# KiCad board SparkFun_GNSS_mosaic-T_panelized.kicad_pcb
title: SparkFun GNSS mosaic-T; date: 2025-03-19; rev: v01; company: SparkFun Electronics; note: Designed by: P.C.
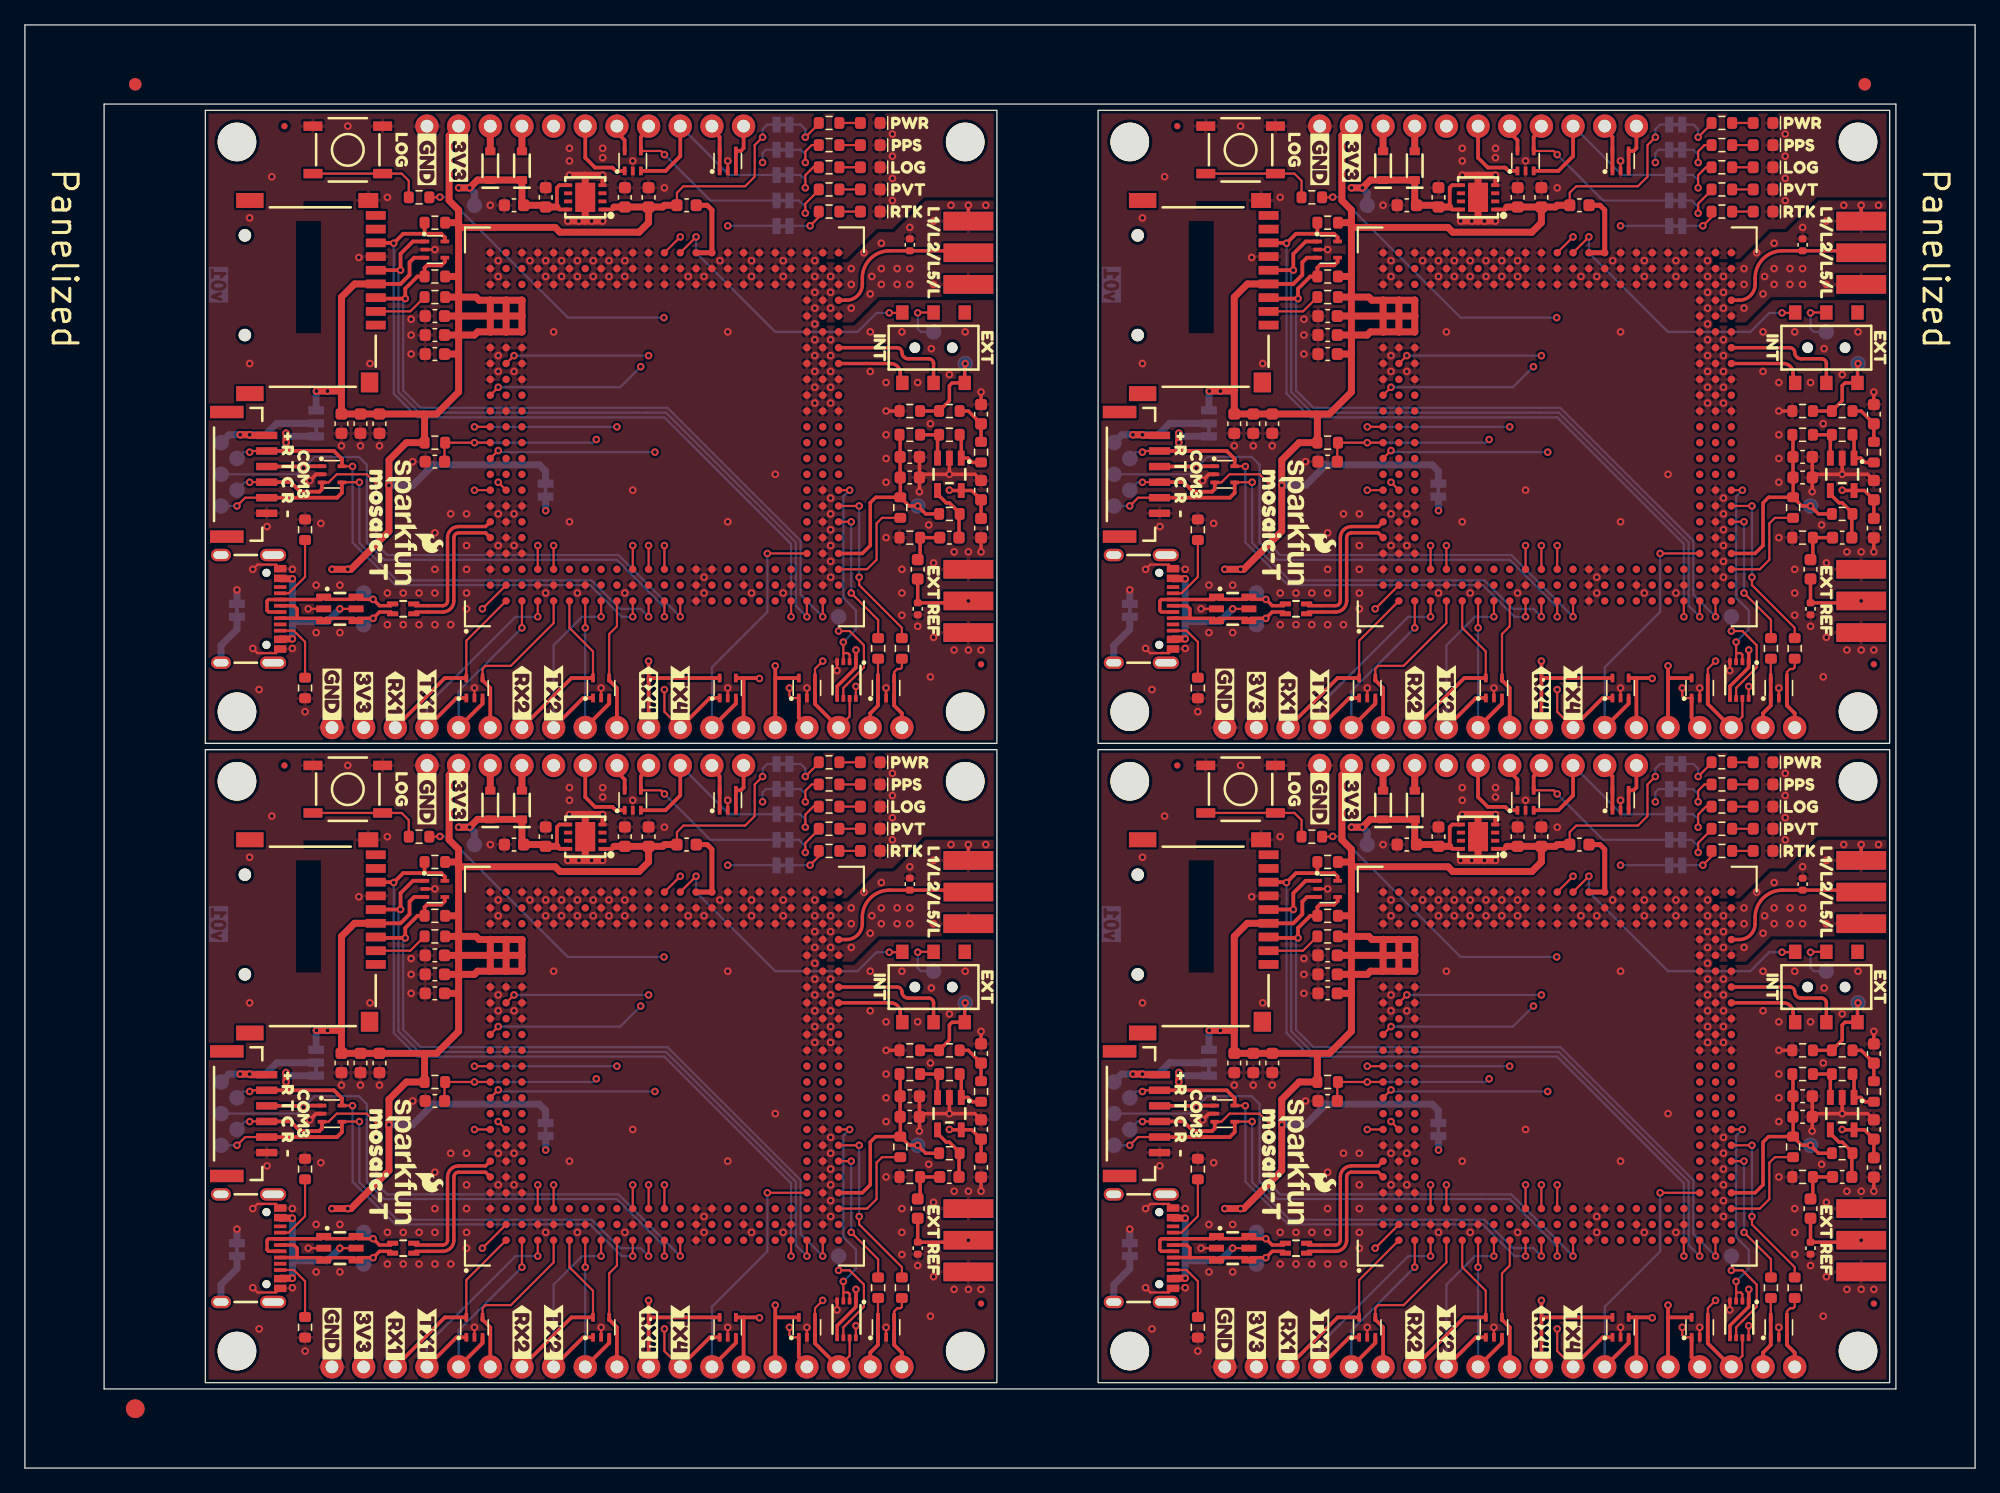
[diagram p0: board, top side]
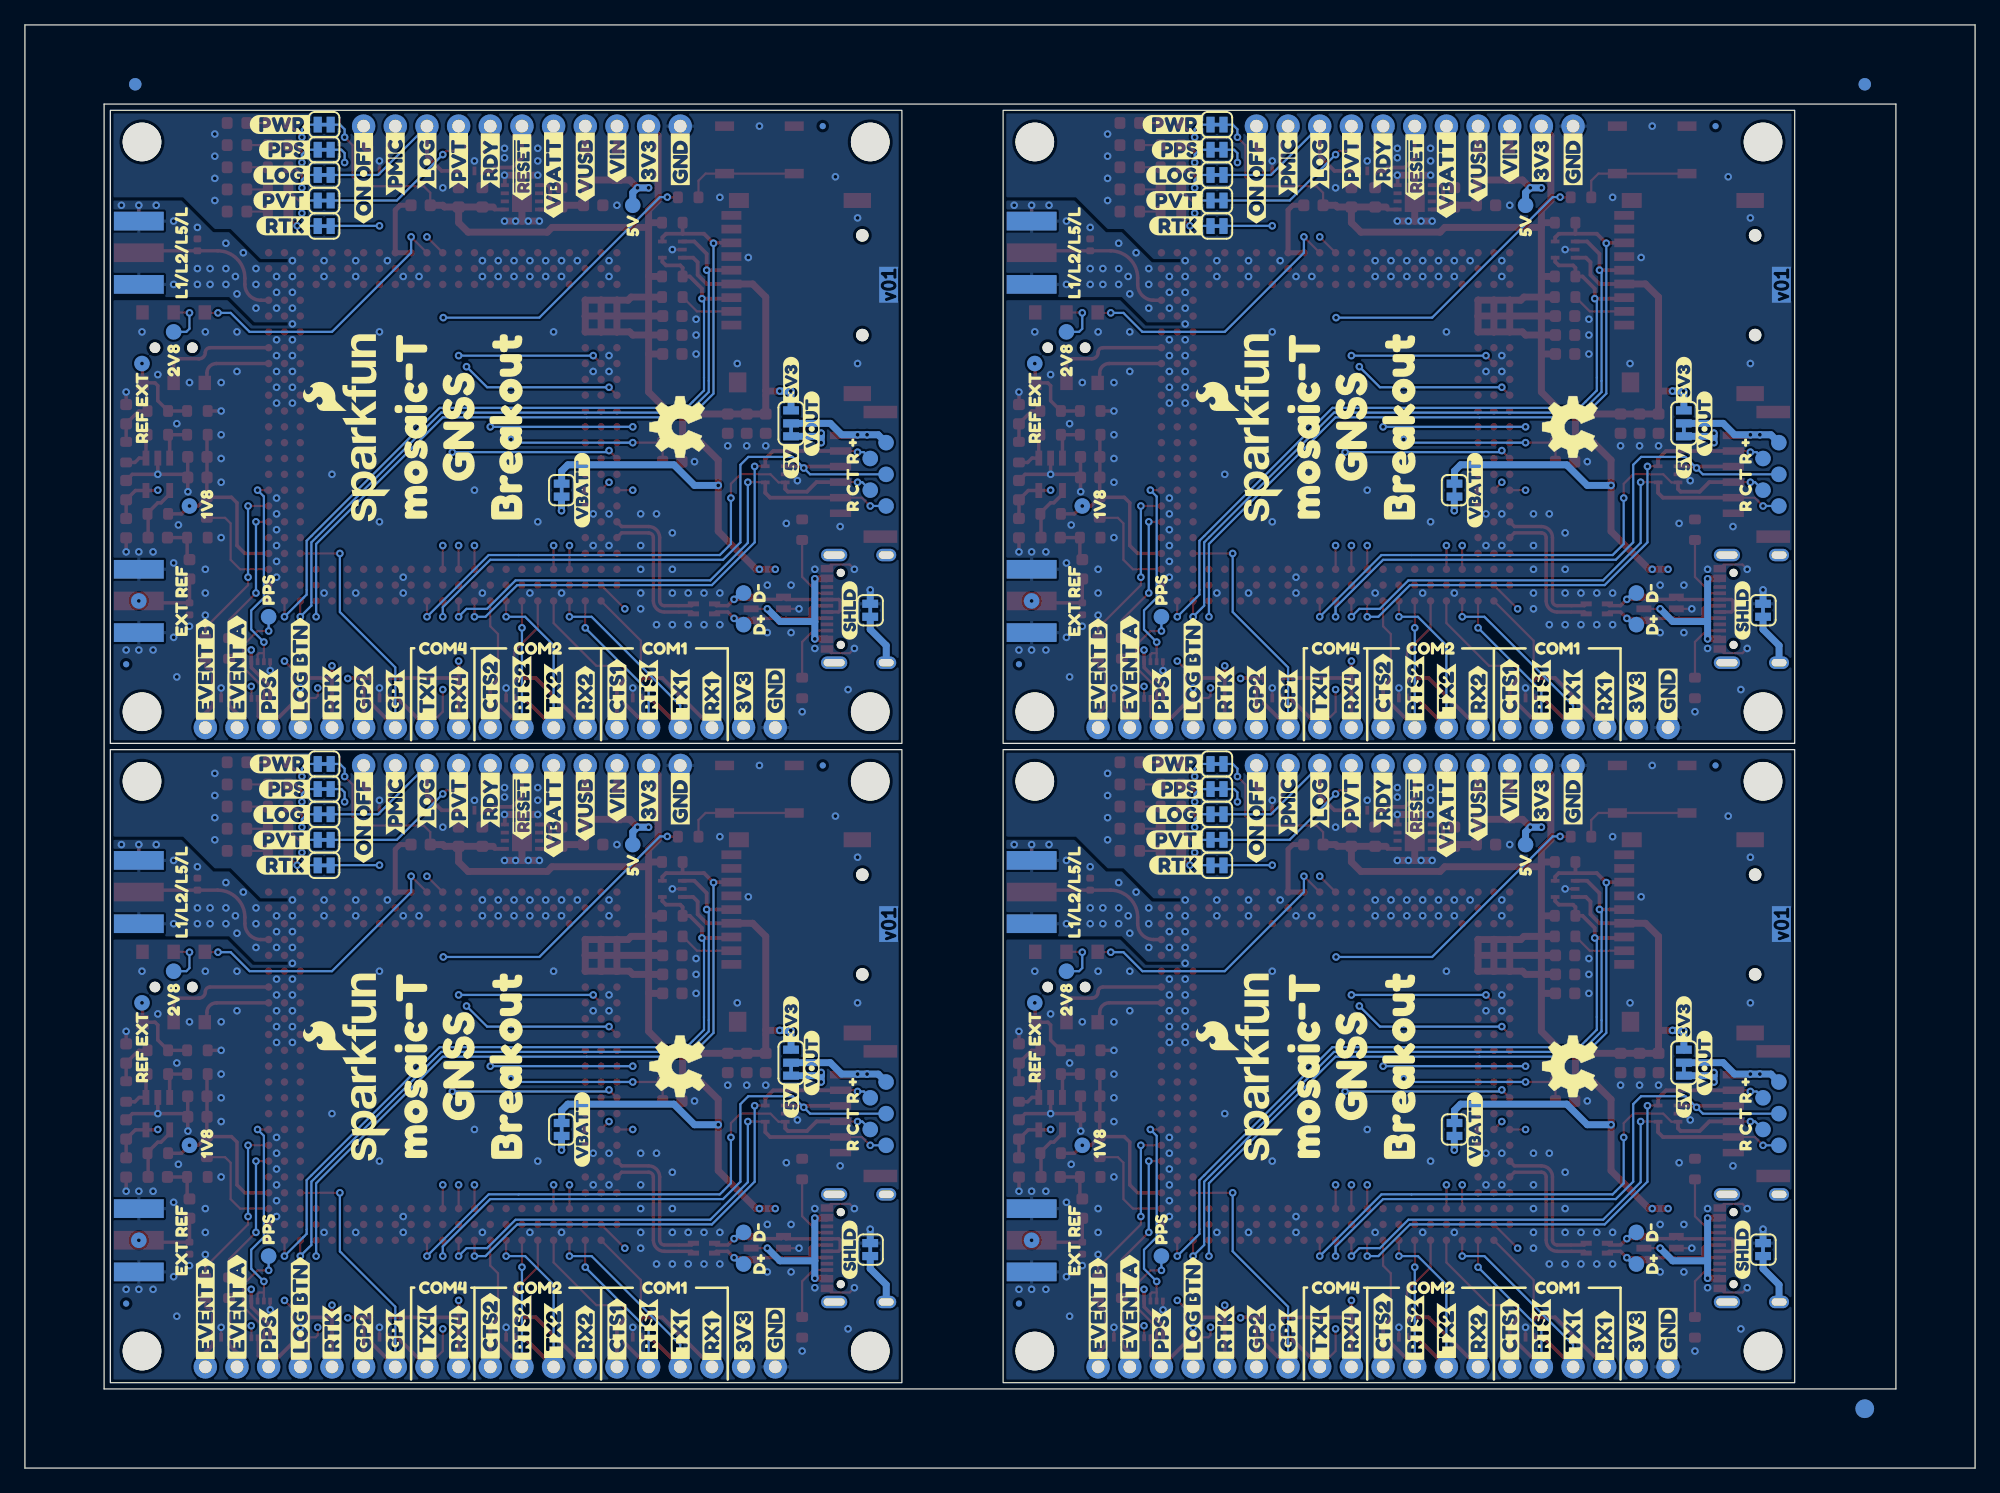
[diagram p1: board, bottom side, seen from below]

Outline 156.44 x 115.8 mm; copper layers: Top, L2.Cu, L3.Cu, Bottom. Coordinates in mm from the lower left corner of the outline.
Outline path: 14.47,58.15 14.47,108.95 77.97,108.95 77.97,58.15 closed ; 14.47,6.85 14.47,57.65 77.97,57.65 77.97,6.85 closed ; 86.09,58.15 86.09,108.95 149.59,108.95 149.59,58.15 closed ; 86.09,6.85 86.09,57.65 149.59,57.65 149.59,6.85 closed ; 0,115.8 156.44,115.8 156.44,0 0,0 0,115.8 ; 6.35,109.45 150.09,109.45 150.09,6.35 6.35,6.35 6.35,109.45
Stack: Top 0.035mm / dielectric 0.1mm FR4 er 4.5 / L2.Cu 0.035mm / dielectric 1.24mm FR4 er 4.5 / L3.Cu 0.035mm / dielectric 0.1mm FR4 er 4.5 / Bottom 0.035mm

## Placement (name value [footprint] x y rotation side)
C1  10uF  [C_0603_1608Metric]  104.5 41.14 180 top
C1#2  10uF  [C_0603_1608Metric]  32.89 41.14 180 top
C1#3  10uF  [C_0603_1608Metric]  104.5 92.44 180 top
C1#4  10uF  [C_0603_1608Metric]  32.89 92.44 180 top
C2  10uF  [C_0603_1608Metric]  70.99 81.14 0 top
C2#2  10uF  [C_0603_1608Metric]  142.61 29.84 0 top
C2#3  10uF  [C_0603_1608Metric]  70.99 29.84 0 top
C2#4  10uF  [C_0603_1608Metric]  142.61 81.14 0 top
C3  0.1uF  [C_0603_1608Metric]  104.5 80.76 180 top
C3#2  0.1uF  [C_0603_1608Metric]  32.89 80.76 180 top
C3#3  0.1uF  [C_0603_1608Metric]  32.89 29.46 180 top
C3#4  0.1uF  [C_0603_1608Metric]  104.5 29.46 180 top
C4  0.1uF  [C_0603_1608Metric]  104.5 38.09 180 top
C4#2  0.1uF  [C_0603_1608Metric]  32.89 38.09 180 top
C4#3  0.1uF  [C_0603_1608Metric]  32.89 89.39 180 top
C4#4  0.1uF  [C_0603_1608Metric]  104.5 89.39 180 top
C5  1.0uF  [C_0603_1608Metric]  104.5 90.92 180 top
C5#2  1.0uF  [C_0603_1608Metric]  32.89 90.92 180 top
C5#3  1.0uF  [C_0603_1608Metric]  104.5 39.62 180 top
C5#4  1.0uF  [C_0603_1608Metric]  32.89 39.62 180 top
C6  0.1uF  [C_0603_1608Metric]  70.99 79.49 0 top
C6#2  0.1uF  [C_0603_1608Metric]  142.61 79.49 0 top
C6#3  0.1uF  [C_0603_1608Metric]  142.61 28.19 0 top
C6#4  0.1uF  [C_0603_1608Metric]  70.99 28.19 0 top
C7  10uF  [C_0603_1608Metric]  100.06 83.8 270 top
C7#2  10uF  [C_0603_1608Metric]  28.44 32.5 270 top
C7#3  10uF  [C_0603_1608Metric]  100.06 32.5 270 top
C7#4  10uF  [C_0603_1608Metric]  28.44 83.8 270 top
C8  0.1uF  [C_0603_1608Metric]  25.39 83.8 270 top
C8#2  0.1uF  [C_0603_1608Metric]  25.39 32.5 270 top
C8#3  0.1uF  [C_0603_1608Metric]  97.01 32.5 270 top
C8#4  0.1uF  [C_0603_1608Metric]  97.01 83.8 270 top
C9  1.0uF  [C_0603_1608Metric]  26.92 32.5 270 top
C9#2  1.0uF  [C_0603_1608Metric]  98.54 32.5 270 top
C9#3  1.0uF  [C_0603_1608Metric]  98.54 83.8 270 top
C9#4  1.0uF  [C_0603_1608Metric]  26.92 83.8 270 top
C10  1.0nF  [C_0603_1608Metric]  143.24 20.82 90 top
C10#2  1.0nF  [C_0603_1608Metric]  143.24 72.12 90 top
C10#3  1.0nF  [C_0603_1608Metric]  71.62 72.12 90 top
C10#4  1.0nF  [C_0603_1608Metric]  71.62 20.82 90 top
C11  1.0nF  [C_0603_1608Metric]  74.16 74.66 0 top
C11#2  1.0nF  [C_0603_1608Metric]  145.78 74.66 0 top
C11#3  1.0nF  [C_0603_1608Metric]  145.78 23.36 0 top
C11#4  1.0nF  [C_0603_1608Metric]  74.16 23.36 0 top
C12  10uF  [C_0603_1608Metric]  148.32 27.17 90 top
C12#2  10uF  [C_0603_1608Metric]  148.32 78.47 90 top
C12#3  10uF  [C_0603_1608Metric]  76.7 78.47 90 top
C12#4  10uF  [C_0603_1608Metric]  76.7 27.17 90 top
C13  0.1uF  [C_0603_1608Metric]  148.32 75.42 270 top
C13#2  0.1uF  [C_0603_1608Metric]  76.7 75.42 270 top
C13#3  0.1uF  [C_0603_1608Metric]  148.32 24.12 270 top
C13#4  0.1uF  [C_0603_1608Metric]  76.7 24.12 270 top
C14  33pF  [C_0603_1608Metric]  76.7 84.57 90 top
C14#2  33pF  [C_0603_1608Metric]  148.32 84.57 90 top
C14#3  33pF  [C_0603_1608Metric]  76.7 33.27 90 top
C14#4  33pF  [C_0603_1608Metric]  148.32 33.27 90 top
C15  10uF  [C_0603_1608Metric]  110.86 101.33 180 top
C15#2  10uF  [C_0603_1608Metric]  39.24 101.33 180 top
C15#3  10uF  [C_0603_1608Metric]  39.24 50.03 180 top
C15#4  10uF  [C_0603_1608Metric]  110.86 50.03 180 top
C16  1.0uF  [C_0603_1608Metric]  113.4 101.97 90 top
C16#2  1.0uF  [C_0603_1608Metric]  113.4 50.67 90 top
C16#3  1.0uF  [C_0603_1608Metric]  41.78 101.97 90 top
C16#4  1.0uF  [C_0603_1608Metric]  41.78 50.67 90 top
C17  1.0uF  [C_0603_1608Metric]  50.03 50.67 90 top
C17#2  1.0uF  [C_0603_1608Metric]  50.03 101.97 90 top
C17#3  1.0uF  [C_0603_1608Metric]  121.65 101.97 90 top
C17#4  1.0uF  [C_0603_1608Metric]  121.65 50.67 90 top
C18  10uF  [C_0603_1608Metric]  119.75 101.97 90 top
C18#2  10uF  [C_0603_1608Metric]  48.12 101.97 90 top
C18#3  10uF  [C_0603_1608Metric]  119.75 50.67 90 top
C18#4  10uF  [C_0603_1608Metric]  48.12 50.67 90 top
D1  DF5A5.6LFU  [SOT-353]  32.89 46.47 0 top
D1#2  DF5A5.6LFU  [SOT-353]  32.89 97.77 0 top
D1#3  DF5A5.6LFU  [SOT-353]  104.5 97.77 0 top
D1#4  DF5A5.6LFU  [SOT-353]  104.5 46.47 0 top
D2  Red  [LED_0603_1608Metric_Red]  67.81 107.93 180 top
D2#2  Red  [LED_0603_1608Metric_Red]  67.81 56.63 180 top
D2#3  Red  [LED_0603_1608Metric_Red]  139.43 56.63 180 top
D2#4  Red  [LED_0603_1608Metric_Red]  139.43 107.93 180 top
D3  Blue  [LED_0603_1608Metric_Blue]  139.43 102.6 180 top
D3#2  Blue  [LED_0603_1608Metric_Blue]  67.81 102.6 180 top
D3#3  Blue  [LED_0603_1608Metric_Blue]  139.43 51.3 180 top
D3#4  Blue  [LED_0603_1608Metric_Blue]  67.81 51.3 180 top
D4  Green  [LED_0603_1608Metric_Green]  139.43 104.38 180 top
D4#2  Green  [LED_0603_1608Metric_Green]  67.81 53.08 180 top
D4#3  Green  [LED_0603_1608Metric_Green]  139.43 53.08 180 top
D4#4  Green  [LED_0603_1608Metric_Green]  67.81 104.38 180 top
D5  White  [LED_0603_1608Metric_White]  139.43 49.52 180 top
D5#2  White  [LED_0603_1608Metric_White]  139.43 100.82 180 top
D5#3  White  [LED_0603_1608Metric_White]  67.81 100.82 180 top
D5#4  White  [LED_0603_1608Metric_White]  67.81 49.52 180 top
D6  Yellow  [LED_0603_1608Metric_Yellow]  67.81 106.16 180 top
D6#2  Yellow  [LED_0603_1608Metric_Yellow]  139.43 54.86 180 top
D6#3  Yellow  [LED_0603_1608Metric_Yellow]  67.81 54.86 180 top
D6#4  Yellow  [LED_0603_1608Metric_Yellow]  139.43 106.16 180 top
D7  DF5A5.6LFU  [SOT-353]  48.76 53.59 90 top
D7#2  DF5A5.6LFU  [SOT-353]  120.38 53.59 90 top
D7#3  DF5A5.6LFU  [SOT-353]  48.76 104.89 90 top
D7#4  DF5A5.6LFU  [SOT-353]  120.38 104.89 90 top
D8  DF5A5.6LFU  [SOT-353]  56.38 104.89 90 top
D8#2  DF5A5.6LFU  [SOT-353]  128 53.59 90 top
D8#3  DF5A5.6LFU  [SOT-353]  128 104.89 90 top
D8#4  DF5A5.6LFU  [SOT-353]  56.38 53.59 90 top
D9  PESD0402  [C_0402_1005Metric]  70.99 46.86 270 top
D9#2  PESD0402  [C_0402_1005Metric]  142.61 46.86 270 top
D9#3  PESD0402  [C_0402_1005Metric]  70.99 98.16 270 top
D9#4  PESD0402  [C_0402_1005Metric]  142.61 98.16 270 top
D10  DF5A5.6LFU  [SOT-353]  62.73 11.3 90 top
D10#2  DF5A5.6LFU  [SOT-353]  134.35 62.59 90 top
D10#3  DF5A5.6LFU  [SOT-353]  134.35 11.3 90 top
D10#4  DF5A5.6LFU  [SOT-353]  62.73 62.59 90 top
D11  DF5A5.6LFU  [SOT-353]  128 62.59 90 top
D11#2  DF5A5.6LFU  [SOT-353]  128 11.3 90 top
D11#3  DF5A5.6LFU  [SOT-353]  56.38 11.3 90 top
D11#4  DF5A5.6LFU  [SOT-353]  56.38 62.59 90 top
D12  DF5A5.6LFU  [SOT-353]  117.84 11.3 90 top
D12#2  DF5A5.6LFU  [SOT-353]  46.22 62.59 90 top
D12#3  DF5A5.6LFU  [SOT-353]  46.22 11.3 90 top
D12#4  DF5A5.6LFU  [SOT-353]  117.84 62.59 90 top
D13  DF5A5.6LFU  [SOT-353]  36.06 11.3 90 top
D13#2  DF5A5.6LFU  [SOT-353]  107.68 11.3 90 top
D13#3  DF5A5.6LFU  [SOT-353]  36.06 62.59 90 top
D13#4  DF5A5.6LFU  [SOT-353]  107.68 62.59 90 top
D14  DF5A5.6LFU  [SOT-353]  96.25 79.74 0 top
D14#2  DF5A5.6LFU  [SOT-353]  24.63 28.44 0 top
D14#3  DF5A5.6LFU  [SOT-353]  96.25 28.44 0 top
D14#4  DF5A5.6LFU  [SOT-353]  24.63 79.74 0 top
D15  DF5A5.6LFU  [SOT-353]  140.7 62.59 90 top
D15#2  DF5A5.6LFU  [SOT-353]  69.08 62.59 90 top
D15#3  DF5A5.6LFU  [SOT-353]  69.08 11.3 90 top
D15#4  DF5A5.6LFU  [SOT-353]  140.7 11.3 90 top
D16  PESD0402  [C_0402_1005Metric]  143.24 68.94 90 top
D16#2  PESD0402  [C_0402_1005Metric]  143.24 17.64 90 top
D16#3  PESD0402  [C_0402_1005Metric]  71.62 68.94 90 top
D16#4  PESD0402  [C_0402_1005Metric]  71.62 17.64 90 top
D17  DT1042-04SO  [SOT23-6]  25.27 17.64 0 top
D17#2  DT1042-04SO  [SOT23-6]  96.89 68.94 0 top
D17#3  DT1042-04SO  [SOT23-6]  96.89 17.64 0 top
D17#4  DT1042-04SO  [SOT23-6]  25.27 68.94 0 top
D18  BAT60A  [SOD-323]  39.87 104.5 90 top
D18#2  BAT60A  [SOD-323]  111.49 104.5 90 top
D18#3  BAT60A  [SOD-323]  111.49 53.2 90 top
D18#4  BAT60A  [SOD-323]  39.87 53.2 90 top
D19  BAT60A  [SOD-323]  108.95 53.2 90 top
D19#2  BAT60A  [SOD-323]  37.33 53.2 90 top
D19#3  BAT60A  [SOD-323]  37.33 104.5 90 top
D19#4  BAT60A  [SOD-323]  108.95 104.5 90 top
FID1  Fiducial_0.5mm  [Fiducial_0.5mm_Mask1mm]  92.44 56.38 0 top
FID1#2  Fiducial_0.5mm  [Fiducial_0.5mm_Mask1mm]  20.82 56.38 0 top
FID1#3  Fiducial_0.5mm  [Fiducial_0.5mm_Mask1mm]  92.44 107.68 0 top
FID1#4  Fiducial_0.5mm  [Fiducial_0.5mm_Mask1mm]  20.82 107.68 0 top
FID2  Fiducial_0.5mm  [Fiducial_0.5mm_Mask1mm]  76.7 13.2 180 bottom
FID2#2  Fiducial_0.5mm  [Fiducial_0.5mm_Mask1mm]  148.32 64.5 180 bottom
FID2#3  Fiducial_0.5mm  [Fiducial_0.5mm_Mask1mm]  148.32 13.2 180 bottom
FID2#4  Fiducial_0.5mm  [Fiducial_0.5mm_Mask1mm]  76.7 64.5 180 bottom
FID3  Fiducial_0.5mm  [Fiducial_0.5mm_Mask1mm]  20.82 56.38 180 bottom
FID3#2  Fiducial_0.5mm  [Fiducial_0.5mm_Mask1mm]  92.44 56.38 180 bottom
FID3#3  Fiducial_0.5mm  [Fiducial_0.5mm_Mask1mm]  20.82 107.68 180 bottom
FID3#4  Fiducial_0.5mm  [Fiducial_0.5mm_Mask1mm]  92.44 107.68 180 bottom
FID4  Fiducial_0.5mm  [Fiducial_0.5mm_Mask1mm]  148.32 64.5 0 top
FID4#2  Fiducial_0.5mm  [Fiducial_0.5mm_Mask1mm]  76.7 13.2 0 top
FID4#3  Fiducial_0.5mm  [Fiducial_0.5mm_Mask1mm]  76.7 64.5 0 top
FID4#4  Fiducial_0.5mm  [Fiducial_0.5mm_Mask1mm]  148.32 13.2 0 top
G3  OSHW_Logo  [Creative_Commons_License]  114.16 -37.6 0 top
G***  LOGO  [SparkFun_Logo_10mm]  101.97 75.93 270 top
G***#2  LOGO  [SparkFun_Logo_10mm]  101.97 24.63 270 top
G***#3  LOGO  [SparkFun_Logo_10mm]  30.34 24.63 270 top
G***#4  LOGO  [SparkFun_Logo_10mm]  30.34 75.93 270 top
G***#5  LOGO  [SparkFun_Logo_15mm]  57.65 83.3 90 bottom
G***#6  LOGO  [SparkFun_Logo_15mm]  129.27 83.3 90 bottom
G***#7  LOGO  [SparkFun_Logo_15mm]  129.27 32 90 bottom
G***#8  LOGO  [SparkFun_Logo_15mm]  57.65 32 90 bottom
J1  microSD  [microSD_External_Pin]  17.65 93.96 270 top
J1#2  microSD  [microSD_External_Pin]  89.27 93.96 270 top
J1#3  microSD  [microSD_External_Pin]  17.65 42.66 270 top
J1#4  microSD  [microSD_External_Pin]  89.27 42.66 270 top
J2  -  [SMA_Edge]  75.68 97.52 270 top
J2#2  -  [SMA_Edge]  147.3 97.52 270 top
J2#3  -  [SMA_Edge]  75.68 46.22 270 top
J2#4  -  [SMA_Edge]  147.3 46.22 270 top
J3  Conn_01x11  [1x11]  32.25 56.38 0 top
J3#2  Conn_01x11  [1x11]  103.87 56.38 0 top
J3#3  Conn_01x11  [1x11]  103.87 107.68 0 top
J3#4  Conn_01x11  [1x11]  32.25 107.68 0 top
J4  Conn_01x19  [1x19]  24.63 8.12 0 top
J4#2  Conn_01x19  [1x19]  96.25 8.12 0 top
J4#3  Conn_01x19  [1x19]  24.63 59.42 0 top
J4#4  Conn_01x19  [1x19]  96.25 59.42 0 top
J5  JST_Locking_6  [JST_SMD_1.25mm-6_Locking]  89.27 79.74 270 top
J5#2  JST_Locking_6  [JST_SMD_1.25mm-6_Locking]  17.65 28.44 270 top
J5#3  JST_Locking_6  [JST_SMD_1.25mm-6_Locking]  17.65 79.74 270 top
J5#4  JST_Locking_6  [JST_SMD_1.25mm-6_Locking]  89.27 28.44 270 top
J6  -  [SMA_Edge]  147.3 18.28 270 top
J6#2  -  [SMA_Edge]  75.68 18.28 270 top
J6#3  -  [SMA_Edge]  147.3 69.58 270 top
J6#4  -  [SMA_Edge]  75.68 69.58 270 top
J7  USB_C_Receptacle  [USB-C_16]  20.82 68.94 270 top
J7#2  USB_C_Receptacle  [USB-C_16]  92.44 17.64 270 top
J7#3  USB_C_Receptacle  [USB-C_16]  20.82 17.64 270 top
J7#4  USB_C_Receptacle  [USB-C_16]  92.44 68.94 270 top
kibuzzard-67D03C98  G***  [kibuzzard-67D03C98]  144.51 46.22 270 top
kibuzzard-67D03C98#2  G***  [kibuzzard-67D03C98]  144.51 97.52 270 top
kibuzzard-67D03C98#3  G***  [kibuzzard-67D03C98]  72.89 46.22 270 top
kibuzzard-67D03C98#4  G***  [kibuzzard-67D03C98]  72.89 97.52 270 top
kibuzzard-67D03C98#5  G***  [kibuzzard-67D03C98]  143.88 46.22 90 bottom
kibuzzard-67D03C98#6  G***  [kibuzzard-67D03C98]  143.88 97.52 90 bottom
kibuzzard-67D03C98#7  G***  [kibuzzard-67D03C98]  72.25 97.52 90 bottom
kibuzzard-67D03C98#8  G***  [kibuzzard-67D03C98]  72.25 46.22 90 bottom
kibuzzard-67D03CC5  G***  [kibuzzard-67D03CC5]  144.51 69.58 270 top
kibuzzard-67D03CC5#2  G***  [kibuzzard-67D03CC5]  72.89 69.58 270 top
kibuzzard-67D03CC5#3  G***  [kibuzzard-67D03CC5]  144.51 18.28 270 top
kibuzzard-67D03CC5#4  G***  [kibuzzard-67D03CC5]  72.89 18.28 270 top
kibuzzard-67D03CC5#5  G***  [kibuzzard-67D03CC5]  72.25 18.28 90 bottom
kibuzzard-67D03CC5#6  G***  [kibuzzard-67D03CC5]  143.88 18.28 90 bottom
kibuzzard-67D03CC5#7  G***  [kibuzzard-67D03CC5]  143.88 69.58 90 bottom
kibuzzard-67D03CC5#8  G***  [kibuzzard-67D03CC5]  72.25 69.58 90 bottom
kibuzzard-67D04A61  G***  [kibuzzard-67D04A61]  64.38 107.81 180 bottom
kibuzzard-67D04A61#2  G***  [kibuzzard-67D04A61]  136 56.51 180 bottom
kibuzzard-67D04A61#3  G***  [kibuzzard-67D04A61]  64.38 56.51 180 bottom
kibuzzard-67D04A61#4  G***  [kibuzzard-67D04A61]  136 107.81 180 bottom
kibuzzard-67D04A72  G***  [kibuzzard-67D04A72]  64 54.48 180 bottom
kibuzzard-67D04A72#2  G***  [kibuzzard-67D04A72]  64 105.78 180 bottom
kibuzzard-67D04A72#3  G***  [kibuzzard-67D04A72]  135.62 54.48 180 bottom
kibuzzard-67D04A72#4  G***  [kibuzzard-67D04A72]  135.62 105.78 180 bottom
kibuzzard-67D04A80  G***  [kibuzzard-67D04A80]  64.25 52.44 180 bottom
kibuzzard-67D04A80#2  G***  [kibuzzard-67D04A80]  135.87 52.44 180 bottom
kibuzzard-67D04A80#3  G***  [kibuzzard-67D04A80]  64.25 103.74 180 bottom
kibuzzard-67D04A80#4  G***  [kibuzzard-67D04A80]  135.87 103.74 180 bottom
kibuzzard-67D04A91  G***  [kibuzzard-67D04A91]  64.25 101.71 180 bottom
kibuzzard-67D04A91#2  G***  [kibuzzard-67D04A91]  135.87 50.41 180 bottom
kibuzzard-67D04A91#3  G***  [kibuzzard-67D04A91]  135.87 101.71 180 bottom
kibuzzard-67D04A91#4  G***  [kibuzzard-67D04A91]  64.25 50.41 180 bottom
kibuzzard-67D04AA3  G***  [kibuzzard-67D04AA3]  135.75 48.38 180 bottom
kibuzzard-67D04AA3#2  G***  [kibuzzard-67D04AA3]  135.75 99.68 180 bottom
kibuzzard-67D04AA3#3  G***  [kibuzzard-67D04AA3]  64.13 99.68 180 bottom
kibuzzard-67D04AA3#4  G***  [kibuzzard-67D04AA3]  64.13 48.38 180 bottom
kibuzzard-67D04B0C  G***  [kibuzzard-67D04B0C]  72.89 37.58 90 bottom
kibuzzard-67D04B0C#2  G***  [kibuzzard-67D04B0C]  144.51 37.58 90 bottom
kibuzzard-67D04B0C#3  G***  [kibuzzard-67D04B0C]  144.51 88.88 90 bottom
kibuzzard-67D04B0C#4  G***  [kibuzzard-67D04B0C]  72.89 88.88 90 bottom
kibuzzard-67D04B28  G***  [kibuzzard-67D04B28]  75.43 33.77 90 bottom
kibuzzard-67D04B28#2  G***  [kibuzzard-67D04B28]  147.05 85.07 90 bottom
kibuzzard-67D04B28#3  G***  [kibuzzard-67D04B28]  147.05 33.77 90 bottom
kibuzzard-67D04B28#4  G***  [kibuzzard-67D04B28]  75.43 85.07 90 bottom
kibuzzard-67D04B58  G***  [kibuzzard-67D04B58]  141.84 26.03 90 bottom
kibuzzard-67D04B58#2  G***  [kibuzzard-67D04B58]  70.22 77.33 90 bottom
kibuzzard-67D04B58#3  G***  [kibuzzard-67D04B58]  70.22 26.03 90 bottom
kibuzzard-67D04B58#4  G***  [kibuzzard-67D04B58]  141.84 77.33 90 bottom
kibuzzard-67D04B80  G***  [kibuzzard-67D04B80]  136.89 70.47 90 bottom
kibuzzard-67D04B80#2  G***  [kibuzzard-67D04B80]  65.27 19.17 90 bottom
kibuzzard-67D04B80#3  G***  [kibuzzard-67D04B80]  65.27 70.47 90 bottom
kibuzzard-67D04B80#4  G***  [kibuzzard-67D04B80]  136.89 19.17 90 bottom
kibuzzard-67D04D07  G***  [kibuzzard-67D04D07]  106.41 53.84 90 bottom
kibuzzard-67D04D07#2  G***  [kibuzzard-67D04D07]  34.79 105.14 90 bottom
kibuzzard-67D04D07#3  G***  [kibuzzard-67D04D07]  34.79 53.84 90 bottom
kibuzzard-67D04D07#4  G***  [kibuzzard-67D04D07]  106.41 105.14 90 bottom
kibuzzard-67D04D20  G***  [kibuzzard-67D04D20]  103.87 53.71 90 bottom
kibuzzard-67D04D20#2  G***  [kibuzzard-67D04D20]  32.25 53.71 90 bottom
kibuzzard-67D04D20#3  G***  [kibuzzard-67D04D20]  32.25 105.01 90 bottom
kibuzzard-67D04D20#4  G***  [kibuzzard-67D04D20]  103.87 105.01 90 bottom
kibuzzard-67D04D30  G***  [kibuzzard-67D04D30]  37.33 53.84 90 bottom
kibuzzard-67D04D30#2  G***  [kibuzzard-67D04D30]  37.33 105.14 90 bottom
kibuzzard-67D04D30#3  G***  [kibuzzard-67D04D30]  108.95 53.84 90 bottom
kibuzzard-67D04D30#4  G***  [kibuzzard-67D04D30]  108.95 105.14 90 bottom
kibuzzard-67D04D50  G***  [kibuzzard-67D04D50]  111.49 104.38 90 bottom
kibuzzard-67D04D50#2  G***  [kibuzzard-67D04D50]  39.87 104.38 90 bottom
kibuzzard-67D04D50#3  G***  [kibuzzard-67D04D50]  111.49 53.08 90 bottom
kibuzzard-67D04D50#4  G***  [kibuzzard-67D04D50]  39.87 53.08 90 bottom
kibuzzard-67D04D99  G***  [kibuzzard-67D04D99]  42.41 103.74 90 bottom
kibuzzard-67D04D99#2  G***  [kibuzzard-67D04D99]  114.03 103.74 90 bottom
kibuzzard-67D04D99#3  G***  [kibuzzard-67D04D99]  114.03 52.44 90 bottom
kibuzzard-67D04D99#4  G***  [kibuzzard-67D04D99]  42.41 52.44 90 bottom
kibuzzard-67D04E6C  G***  [kibuzzard-67D04E6C]  44.95 104.38 90 bottom
kibuzzard-67D04E6C#2  G***  [kibuzzard-67D04E6C]  44.95 53.08 90 bottom
kibuzzard-67D04E6C#3  G***  [kibuzzard-67D04E6C]  116.57 104.38 90 bottom
kibuzzard-67D04E6C#4  G***  [kibuzzard-67D04E6C]  116.57 53.08 90 bottom
kibuzzard-67D04E18  G***  [kibuzzard-67D04E18]  47.49 104.89 90 bottom
kibuzzard-67D04E18#2  G***  [kibuzzard-67D04E18]  47.49 53.59 90 bottom
kibuzzard-67D04E18#3  G***  [kibuzzard-67D04E18]  119.11 53.59 90 bottom
kibuzzard-67D04E18#4  G***  [kibuzzard-67D04E18]  119.11 104.89 90 bottom
kibuzzard-67D04E88  G***  [kibuzzard-67D04E88]  121.65 53.59 90 bottom
kibuzzard-67D04E88#2  G***  [kibuzzard-67D04E88]  50.03 53.59 90 bottom
kibuzzard-67D04E88#3  G***  [kibuzzard-67D04E88]  50.03 104.89 90 bottom
kibuzzard-67D04E88#4  G***  [kibuzzard-67D04E88]  121.65 104.89 90 bottom
kibuzzard-67D04E93  G***  [kibuzzard-67D04E93]  52.57 53.59 90 bottom
kibuzzard-67D04E93#2  G***  [kibuzzard-67D04E93]  124.19 104.89 90 bottom
kibuzzard-67D04E93#3  G***  [kibuzzard-67D04E93]  124.19 53.59 90 bottom
kibuzzard-67D04E93#4  G***  [kibuzzard-67D04E93]  52.57 104.89 90 bottom
kibuzzard-67D04EAA  G***  [kibuzzard-67D04EAA]  126.73 104.63 90 bottom
kibuzzard-67D04EAA#2  G***  [kibuzzard-67D04EAA]  126.73 53.33 90 bottom
kibuzzard-67D04EAA#3  G***  [kibuzzard-67D04EAA]  55.11 53.33 90 bottom
kibuzzard-67D04EAA#4  G***  [kibuzzard-67D04EAA]  55.11 104.63 90 bottom
kibuzzard-67D04FB5  G***  [kibuzzard-67D04FB5]  129.27 103.49 90 bottom
kibuzzard-67D04FB5#2  G***  [kibuzzard-67D04FB5]  129.27 52.19 90 bottom
kibuzzard-67D04FB5#3  G***  [kibuzzard-67D04FB5]  57.65 52.19 90 bottom
kibuzzard-67D04FB5#4  G***  [kibuzzard-67D04FB5]  57.65 103.49 90 bottom
kibuzzard-67D022A2  G***  [kibuzzard-67D022A2]  70.86 51.3 0 top
kibuzzard-67D022A2#2  G***  [kibuzzard-67D022A2]  142.48 51.3 0 top
kibuzzard-67D022A2#3  G***  [kibuzzard-67D022A2]  142.48 102.6 0 top
kibuzzard-67D022A2#4  G***  [kibuzzard-67D022A2]  70.86 102.6 0 top
kibuzzard-67D022AC  G***  [kibuzzard-67D022AC]  70.73 100.82 0 top
kibuzzard-67D022AC#2  G***  [kibuzzard-67D022AC]  70.73 49.52 0 top
kibuzzard-67D022AC#3  G***  [kibuzzard-67D022AC]  142.35 49.52 0 top